# KiCad board poly_kb_molecule_7x5_wave_left.kicad_pcb (continued)
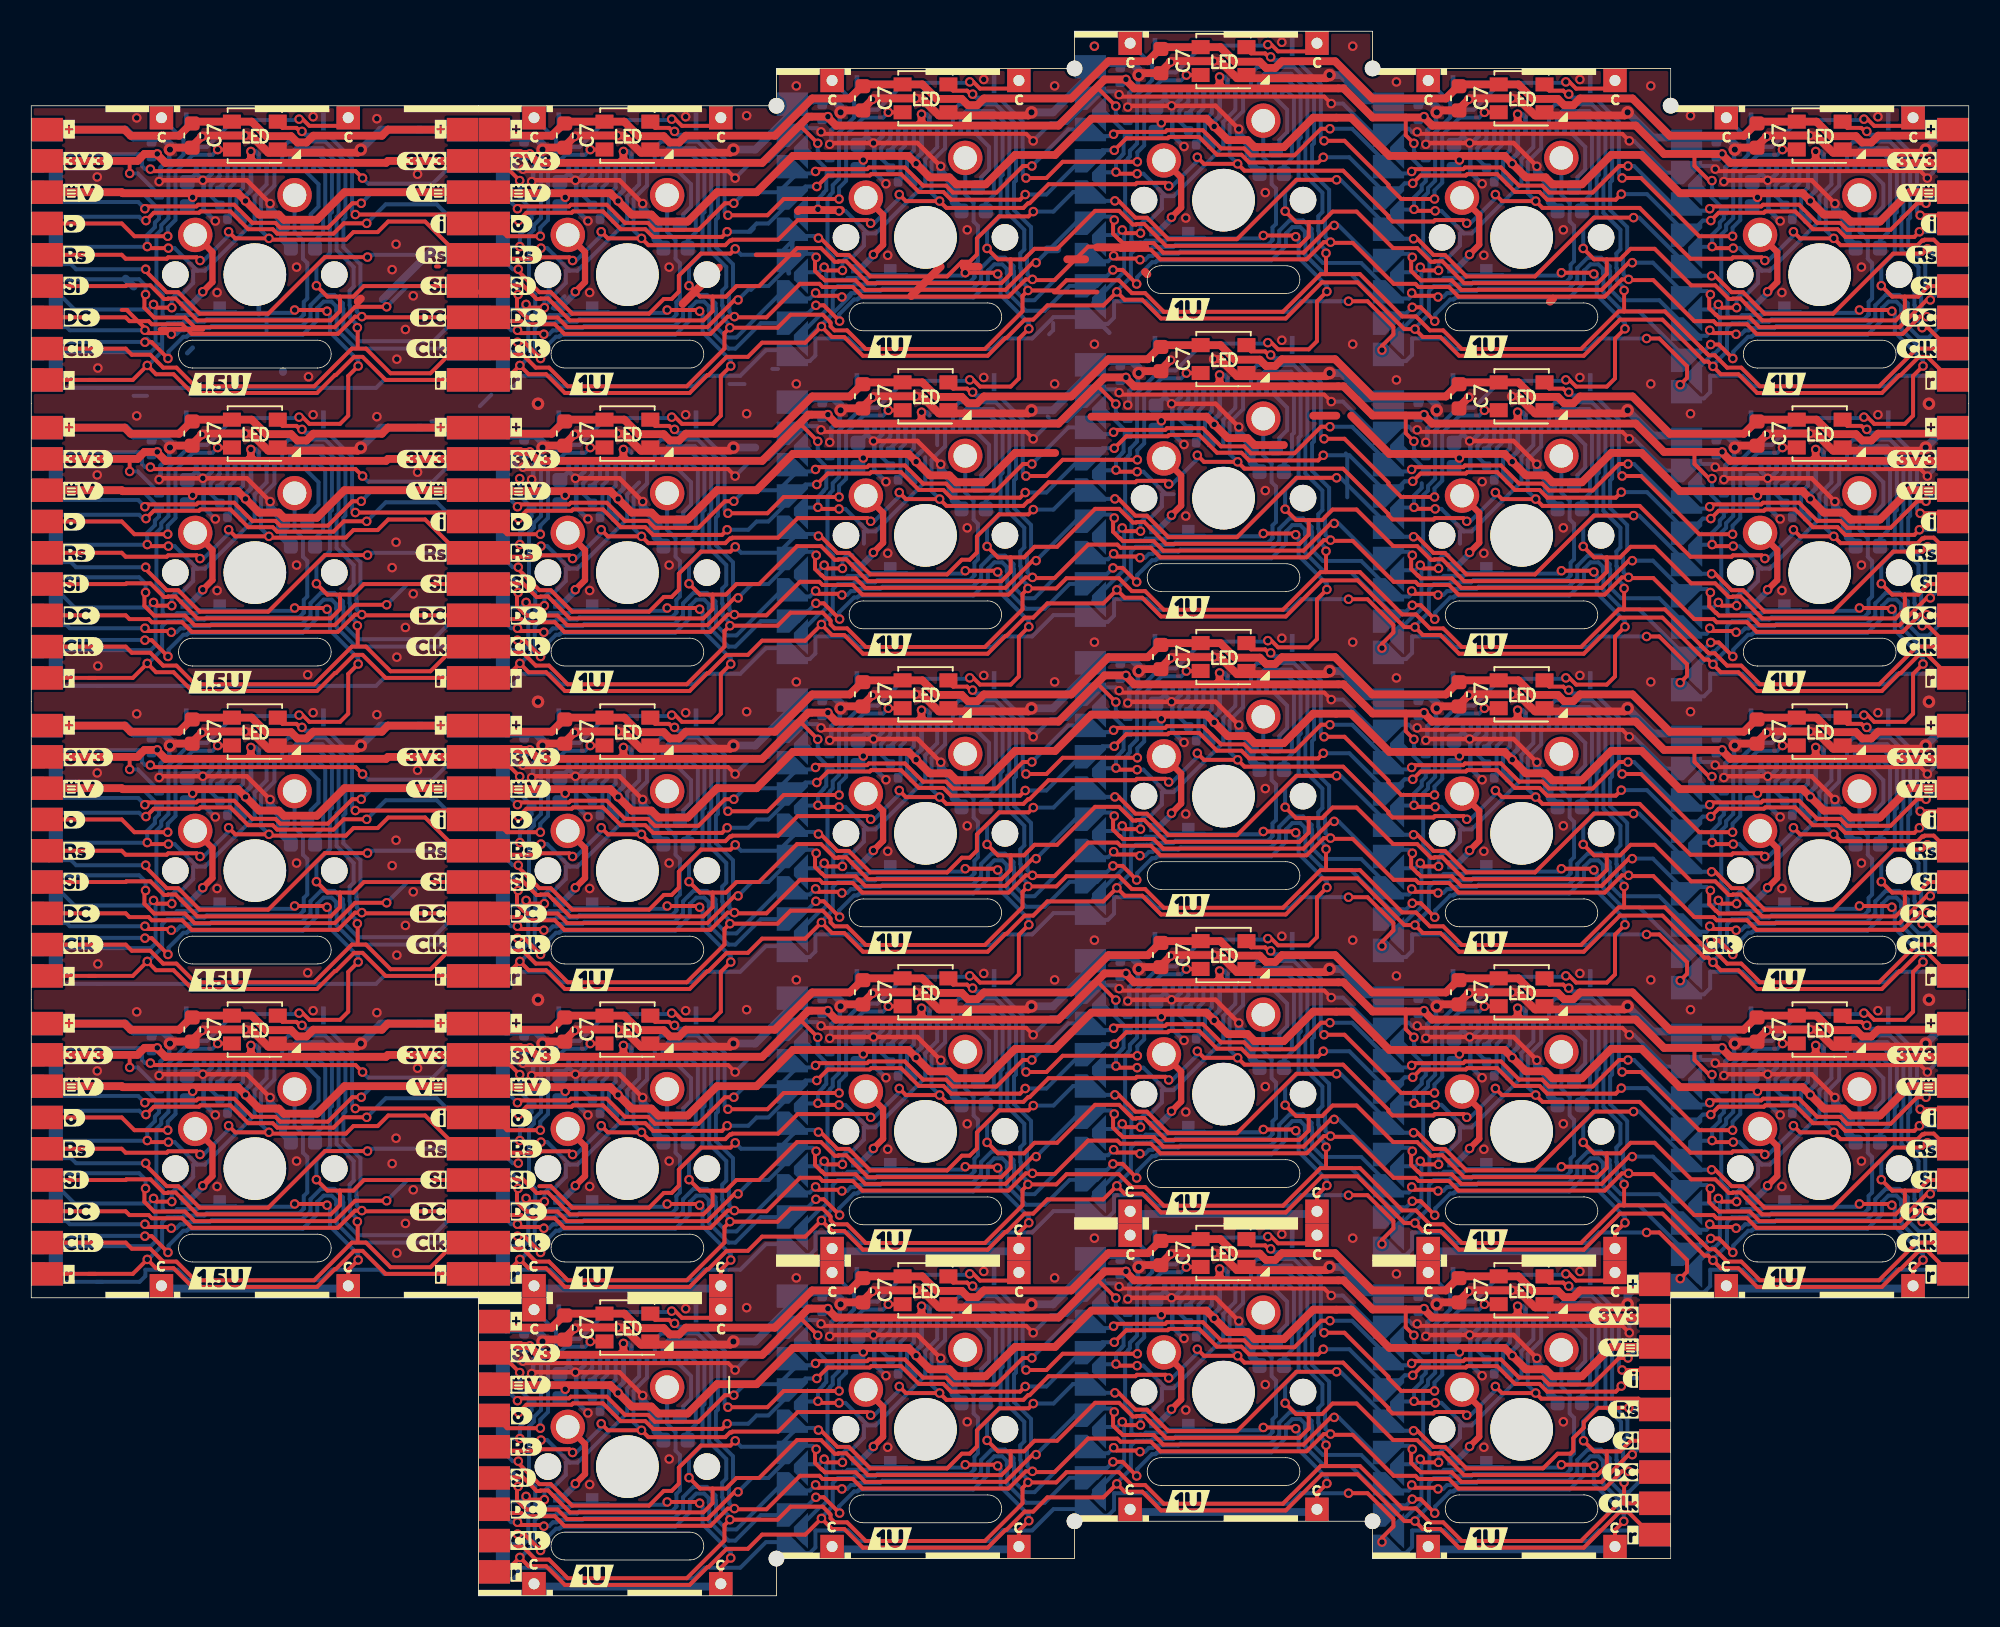
[diagram p0: board, top side]
## Routing (per net, layer and track width the routed paths; a pad name or vN(x,y) marks a point on that pad's centre or on a via; arc(x,y) is an arc through that point) (continued)
  Bottom w0.254: v1(89.7,24.33) 89.7,24.58 89.73,24.61 89.73,24.76 90.69,25.72 90.89,25.72 90.94,25.77 90.96,25.77 91.03,25.84 98.31,25.84 99.24,26.77 99.24,27.54 99.25,27.55 99.25,27.56 99.26,27.57 99.26,27.57 99.65,27.96 100.16,27.96 100.45,27.67 100.45,27.37 100.48,27.34 100.48,26.18 101.71,24.96 102.76,24.96 105.89,21.83 106.5,22.43 106.93,22.43 v1(107.34,22.84) 107.34,22.93 107.26,23.01 ; v1(8.74,40.99) 8.74,41.25 8.77,41.28 8.77,41.43 9.72,42.39 9.93,42.39 9.98,42.43 10,42.43 10.07,42.5 17.35,42.5 18.28,43.43 18.28,44.21 18.29,44.22 18.29,44.23 18.3,44.23 18.3,44.24 18.69,44.63 19.19,44.63 19.49,44.34 19.49,44.04 19.52,44.01 19.52,42.85 20.74,41.63 J6.8 ; 69.17,9.46 68.82,9.11 68.22,9.11 67.79,9.54 67.04,9.54 64.12,6.62 63.5,6.62 62.81,7.31 62.81,8.47 62.78,8.5 62.78,8.8 62.23,9.34 61.37,9.34 60.71,8.68 60.71,7.89 60.17,7.36 54.4,7.36 54.26,7.22 52.78,7.22 52.69,7.12 52.67,7.12 52.62,7.07 52.38,7.07 52.14,6.83 51.81,6.83 ; 122.55,24.58 121.27,23.29 120.65,23.29 119.96,23.98 119.96,25.14 119.93,25.17 119.93,25.47 119.38,26.01 118.52,26.01 117.86,25.34 117.86,24.56 117.32,24.03 111.55,24.03 111.41,23.88 109.93,23.88 109.84,23.79 109.82,23.79 109.77,23.74 109.53,23.74 109.29,23.49 v1(108.96,23.49) ; J6#2.8 20.74,79.73 19.52,80.95 19.52,82.11 19.49,82.14 19.49,82.44 19.19,82.73 18.69,82.73 18.3,82.34 18.3,82.33 18.29,82.33 18.29,82.32 18.28,82.31 18.28,81.53 17.35,80.6 10.07,80.6 10,80.53 9.98,80.53 9.93,80.49 9.72,80.49 8.77,79.53 8.77,79.38 8.74,79.35 v1(8.74,79.09) ; v1(8.74,21.94) 8.74,22.2 8.77,22.23 8.77,22.38 9.72,23.34 9.93,23.34 9.98,23.38 10,23.38 10.07,23.45 17.35,23.45 18.28,24.38 18.28,25.16 18.29,25.17 18.29,25.18 18.3,25.18 18.3,25.19 18.69,25.58 19.19,25.58 19.49,25.29 19.49,24.99 19.52,24.96 19.52,23.8 20.74,22.58 J6#4.8 ; v1(31.07,23.75) 30.67,23.75 29.84,24.58 ; v1(108.75,21.94) 108.75,22.2 108.78,22.23 108.78,22.38 109.74,23.34 109.94,23.34 109.99,23.38 110.01,23.38 110.08,23.45 117.36,23.45 118.29,24.38 118.29,25.16 118.3,25.17 118.3,25.18 118.31,25.18 118.31,25.19 118.7,25.58 119.21,25.58 119.5,25.29 119.5,24.99 119.53,24.96 119.53,23.8 120.76,22.58 J6#6.8 ; v1(32.55,21.94) 32.55,22.2 32.58,22.23 32.58,22.38 33.54,23.34 33.74,23.34 33.79,23.38 33.81,23.38 33.88,23.45 41.16,23.45 42.09,24.38 42.09,25.16 42.1,25.17 42.1,25.18 42.11,25.18 42.11,25.19 42.5,25.58 43.01,25.58 43.3,25.29 43.3,24.99 43.33,24.96 43.33,23.8 44.56,22.58 45,22.58 46.63,24.21 49.01,24.21 v1(50.15,25.34) ; v1(31.07,3.94) 31.06,3.96 29.52,3.96 J5#18.8 ; 88.21,6.34 88.26,6.28 v1(88.26,6.17) 87.85,5.76 87.45,5.76 86.84,5.16 86.84,5.78 84.34,8.29 82.66,8.29 81.43,9.51 81.43,10.67 81.4,10.7 81.4,11 81.11,11.29 80.6,11.29 80.21,10.9 80.21,10.9 80.2,10.89 80.2,10.89 80.19,10.87 80.19,10.1 79.26,9.17 71.98,9.17 71.91,9.1 71.89,9.1 71.84,9.05 71.64,9.05 70.68,8.09 70.68,7.94 70.65,7.91 v1(70.65,7.66) ; v1(51.66,5.28) 51.66,5.53 51.63,5.56 51.63,5.71 52.59,6.67 52.79,6.67 52.84,6.72 52.86,6.72 52.93,6.79 60.21,6.79 61.14,7.72 61.14,8.49 61.15,8.5 61.15,8.51 61.16,8.52 61.16,8.52 61.55,8.91 62.06,8.91 62.35,8.62 62.35,8.32 62.38,8.29 62.38,7.13 63.57,5.94 64.77,5.94 66.37,7.54 68.11,7.54 v1(69.13,8.56) 69.13,8.7 69.12,8.72 ; 88.22,7.08 88.22,6.9 88.05,6.73 87.27,6.73 85,9 82.55,9 81.86,9.69 81.86,10.85 81.83,10.88 81.83,11.18 81.28,11.72 80.42,11.72 79.76,11.06 79.76,10.27 79.22,9.74 73.45,9.74 73.31,9.6 71.83,9.6 71.74,9.5 71.72,9.5 71.67,9.45 71.43,9.45 71.19,9.21 70.86,9.21 ; v1(7.26,22.99) 7.24,23.01 0.95,23.01 J5#2.8 ; J5#15.8 0.95,80.16 7.24,80.16 v1(7.26,80.14) ; v1(31.07,4.7) 30.67,4.7 29.84,5.52 ; 51.81,25.88 52.14,25.88 52.38,26.12 52.62,26.12 52.67,26.17 52.69,26.17 52.78,26.27 54.26,26.27 54.4,26.41 60.17,26.41 60.71,26.94 60.71,27.73 61.37,28.39 62.23,28.39 62.78,27.85 62.78,27.55 62.81,27.52 62.81,26.36 63.5,25.67 64.12,25.67 67.04,28.59 67.79,28.59 68.22,28.16 68.82,28.16 69.17,28.51 ; 50.13,7.09 50.11,7.09 49.76,6.73 49.17,6.73 48.74,7.16 47.99,7.16 45.07,4.24 44.45,4.24 43.76,4.93 43.76,6.09 43.73,6.12 43.73,6.42 43.18,6.96 42.32,6.96 41.66,6.29 41.66,5.51 41.12,4.98 35.35,4.98 35.21,4.83 33.73,4.83 33.64,4.74 33.62,4.74 33.57,4.69 33.33,4.69 33.09,4.44 v1(32.76,4.44) ; J5#24.8 0.95,42.06 7.24,42.06 v1(7.26,42.04) ; v1(50.15,6.29) 49.01,5.16 46.63,5.16 45,3.52 44.56,3.52 43.33,4.75 43.33,5.91 43.3,5.94 43.3,6.24 43.01,6.53 42.5,6.53 42.11,6.14 42.11,6.13 42.1,6.13 42.1,6.12 42.09,6.11 42.09,5.33 41.16,4.4 33.88,4.4 33.81,4.33 33.79,4.33 33.74,4.29 33.54,4.29 32.58,3.33 32.58,3.18 32.55,3.15 v1(32.55,2.89) ; J5#5.8 0.95,61.11 7.24,61.11 v1(7.26,61.09) ; 70.86,28.26 71.19,28.26 71.43,28.5 71.67,28.5 71.72,28.55 71.74,28.55 71.83,28.65 73.31,28.65 73.45,28.79 79.22,28.79 79.76,29.32 79.76,30.11 80.42,30.77 81.28,30.77 81.83,30.23 81.83,29.93 81.86,29.9 81.86,28.74 82.55,28.05 85,28.05 87.27,25.78 88.05,25.78 88.22,25.95 88.22,26.13 ; v1(8.74,60.04) 8.74,60.3 8.77,60.33 8.77,60.48 9.72,61.44 9.93,61.44 9.98,61.48 10,61.48 10.07,61.55 17.35,61.55 18.28,62.48 18.28,63.26 18.29,63.27 18.29,63.28 18.3,63.28 18.3,63.29 18.69,63.68 19.19,63.68 19.49,63.39 19.49,63.09 19.52,63.06 19.52,61.9 20.74,60.68 J6#5.8 ; v1(51.66,24.33) 51.66,24.58 51.63,24.61 51.63,24.76 52.59,25.72 52.79,25.72 52.84,25.77 52.86,25.77 52.93,25.84 60.21,25.84 61.14,26.77 61.14,27.54 61.15,27.55 61.15,27.56 61.16,27.57 61.16,27.57 61.55,27.96 62.06,27.96 62.35,27.67 62.35,27.37 62.38,27.34 62.38,26.18 63.57,24.99 64.77,24.99 66.37,26.59 68.11,26.59 v1(69.13,27.61) 69.13,27.75 69.12,27.77 ; J5#22.8 29.52,23.01 31.06,23.01 v1(31.07,22.99) ; 89.91,6.83 90.24,6.83 90.48,7.07 90.72,7.07 90.77,7.12 90.79,7.12 90.88,7.22 92.36,7.22 92.5,7.36 98.27,7.36 98.81,7.89 98.81,8.68 99.47,9.34 100.33,9.34 100.88,8.8 100.88,8.5 100.91,8.47 100.91,7.31 101.6,6.62 102.1,6.62 103.38,7.91 103.76,7.91 ; v1(89.7,5.28) 89.7,5.53 89.73,5.56 89.73,5.71 90.69,6.67 90.89,6.67 90.94,6.72 90.96,6.72 91.03,6.79 98.31,6.79 99.24,7.72 99.24,8.49 99.25,8.5 99.25,8.51 99.26,8.52 99.26,8.52 99.65,8.91 100.16,8.91 100.45,8.62 100.45,8.32 100.48,8.29 100.48,7.13 101.71,5.91 J6#8.8 ; v1(32.76,23.49) 33.09,23.49 33.33,23.74 33.57,23.74 33.62,23.79 33.64,23.79 33.73,23.88 35.21,23.88 35.35,24.03 41.12,24.03 41.66,24.56 41.66,25.34 42.32,26.01 43.18,26.01 43.73,25.47 43.73,25.17 43.76,25.14 43.76,23.98 44.45,23.29 45.07,23.29 47.99,26.21 48.74,26.21 49.17,25.78 49.76,25.78 50.11,26.14 50.13,26.14 ; v1(107.27,23.75) 107.27,23.6 107.07,23.4 106.32,23.4 104.05,25.67 101.6,25.67 100.91,26.36 100.91,27.52 100.88,27.55 100.88,27.85 100.33,28.39 99.47,28.39 98.81,27.73 98.81,26.94 98.27,26.41 92.5,26.41 92.36,26.27 90.88,26.27 90.79,26.17 90.77,26.17 90.72,26.12 90.48,26.12 90.24,25.88 89.91,25.88 ; v1(70.65,26.71) 70.65,26.96 70.68,26.99 70.68,27.14 71.64,28.1 71.84,28.1 71.89,28.15 71.91,28.15 71.98,28.22 79.26,28.22 80.19,29.15 80.19,29.92 80.2,29.94 80.2,29.94 80.21,29.95 80.21,29.95 80.6,30.34 81.11,30.34 81.4,30.05 81.4,29.75 81.43,29.72 81.43,28.56 82.66,27.34 84.34,27.34 86.84,24.83 86.84,24.21 87.45,24.81 87.85,24.81 v1(88.26,25.22) 88.26,25.33 88.21,25.39
  vias: v1(50.15,82.49) v1(50.15,63.44) v1(50.15,44.39) v1(51.66,81.48) v1(51.66,62.43) v1(51.66,43.38) v1(69.13,84.76) v1(69.13,65.71) v1(69.13,46.66) v1(70.65,83.86) v1(70.65,64.81) v1(70.65,45.76) v1(88.26,82.37) v1(88.26,63.32) v1(88.26,44.27) v1(89.7,81.48) v1(89.7,62.43) v1(89.7,43.38)
CS8: length 638.7
  Top w0.254: v1(84.19,63.7) 85.4,63.7 87.05,62.05 87.05,61.58 86.33,60.85 v1(86.33,60.58) ; v1(84.19,82.75) 85.4,82.75 87.05,81.1 87.05,80.63 86.33,79.9 v1(86.33,79.63) ; v1(105.39,39.32) 105.83,39.76 105.83,40.5 104.05,42.27 v1(103.24,42.27) ; v1(103.24,61.32) 104.05,61.32 105.83,59.55 105.83,58.81 v1(105.39,58.37) ; v1(84.19,44.65) 85.4,44.65 87.05,43 87.05,42.53 86.33,41.8 v1(86.33,41.53) ; v1(86.33,22.48) 86.33,22.75 87.05,23.48 87.05,23.95 85.4,25.6 v1(84.19,25.6) ; v1(84.19,6.55) 85.4,6.55 87.05,4.9 87.05,4.43 86.33,3.7 v1(86.33,3.43) ; v1(103.24,23.22) 104.05,23.22 105.83,21.45 105.83,20.71 v1(105.39,20.27) ; v1(103.24,80.37) 104.05,80.37 105.83,78.6 105.83,77.86 v1(105.39,77.42)
  Bottom w0.254: 65.31,81.36 65.31,80.9 65.05,80.64 ; v1(84.19,63.7) 81.14,63.7 80.47,63.03 71.93,63.03 71.26,63.7 69.2,63.7 69.2,62.65 68.81,62.26 68.22,62.26 67.79,62.69 65.33,62.69 63.97,61.32 62.09,61.32 61.42,60.65 52.88,60.65 52.21,61.32 50.15,61.32 50.11,61.29 50.11,60.24 49.76,59.88 49.17,59.88 48.74,60.31 48.74,60.57 46.95,60.57 45.32,58.94 43.04,58.94 42.37,58.27 33.83,58.27 33.16,58.94 31.1,58.94 31.1,58.53 30.73,58.17 30.35,58.17 29.84,58.67 ; J5#5.9 1.02,58.17 22.03,58.17 22.54,58.68 J6#5.9 ; v1(86.33,3.43) 86.6,3.16 86.84,3.16 87.27,2.73 87.86,2.73 88.25,3.12 88.25,4.17 90.31,4.17 90.98,3.5 99.52,3.5 100.19,4.17 103.49,4.17 J6#8.9 ; 29.84,1.52 30.35,1.02 30.73,1.02 31.1,1.38 31.1,1.79 33.16,1.79 33.83,1.12 42.37,1.12 43.04,1.79 45.32,1.79 46.95,3.42 48.74,3.42 48.74,3.16 49.17,2.73 49.76,2.73 50.11,3.09 50.11,4.14 50.15,4.17 52.21,4.17 52.88,3.5 61.42,3.5 62.09,4.17 63.97,4.17 65.33,5.54 67.79,5.54 68.22,5.11 68.81,5.11 69.2,5.5 69.2,6.55 71.26,6.55 71.93,5.88 80.47,5.88 81.14,6.55 v1(84.19,6.55) ; J5#2.9 1.02,20.07 6.92,20.07 7.29,20.43 7.29,20.84 9.35,20.84 10.02,20.17 18.55,20.17 19.23,20.84 22.28,20.84 22.54,20.58 J6#4.9 ; v1(103.24,42.27) 100.19,42.27 99.52,41.6 90.98,41.6 90.31,42.27 88.25,42.27 88.25,41.22 87.86,40.83 87.27,40.83 86.84,41.26 86.6,41.26 v1(86.33,41.53) ; v1(84.19,25.6) 81.14,25.6 80.47,24.93 71.93,24.93 71.26,25.6 69.2,25.6 69.2,24.55 68.81,24.16 68.22,24.16 67.79,24.59 65.33,24.59 63.97,23.22 62.09,23.22 61.42,22.55 52.88,22.55 52.21,23.22 50.15,23.22 50.11,23.19 50.11,22.14 49.76,21.78 49.17,21.78 48.74,22.21 48.74,22.47 46.95,22.47 45.32,20.84 43.04,20.84 42.37,20.17 33.83,20.17 33.16,20.84 31.1,20.84 31.1,20.43 30.73,20.07 30.35,20.07 29.84,20.58 ; v1(84.19,44.65) 81.14,44.65 80.47,43.98 71.93,43.98 71.26,44.65 69.2,44.65 69.2,43.6 68.81,43.21 68.22,43.21 67.79,43.64 65.33,43.64 63.97,42.27 62.09,42.27 61.42,41.6 52.88,41.6 52.21,42.27 50.15,42.27 50.11,42.24 50.11,41.19 49.76,40.83 49.17,40.83 48.74,41.26 48.74,41.52 46.95,41.52 45.32,39.89 43.04,39.89 42.37,39.22 33.83,39.22 33.16,39.89 31.1,39.89 31.1,39.48 30.73,39.12 30.35,39.12 29.84,39.62 ; 122.55,39.62 122.29,39.89 119.24,39.89 118.57,39.22 110.03,39.22 109.36,39.89 107.3,39.89 107.3,38.84 106.91,38.45 106.32,38.45 105.89,38.88 105.83,38.88 v1(105.39,39.32) ; v1(103.24,61.32) 100.19,61.32 99.52,60.65 90.98,60.65 90.31,61.32 88.25,61.32 88.25,60.27 87.86,59.88 87.27,59.88 86.84,60.31 86.6,60.31 v1(86.33,60.58) ; v1(103.24,23.22) 100.19,23.22 99.52,22.55 90.98,22.55 90.31,23.22 88.25,23.22 88.25,22.17 87.86,21.78 87.27,21.78 86.84,22.21 86.6,22.21 v1(86.33,22.48) ; 4.54,20.07 4.16,20.07 ; v1(105.39,20.27) 105.83,19.83 105.89,19.83 106.32,19.4 106.91,19.4 107.3,19.79 107.3,20.84 109.36,20.84 110.03,20.17 118.57,20.17 119.24,20.84 122.29,20.84 122.55,20.58 ; 4.54,39.12 4.16,39.12 ; 122.55,77.72 122.29,77.99 119.24,77.99 118.57,77.32 110.03,77.32 109.36,77.99 107.3,77.99 107.3,76.94 106.91,76.55 106.32,76.55 105.89,76.97 105.83,76.97 v1(105.39,77.42) ; v1(103.24,80.37) 100.19,80.37 99.52,79.7 90.98,79.7 90.31,80.37 88.25,80.37 88.25,79.32 87.86,78.93 87.27,78.93 86.84,79.36 86.6,79.36 v1(86.33,79.63) ; J6#2.9 22.54,77.73 22.03,77.22 1.02,77.22 J5#15.9 ; J6.9 22.54,39.63 22.03,39.12 1.02,39.12 J5#24.9 ; 4.54,58.17 4.16,58.17 ; 29.84,77.72 30.35,77.22 30.73,77.22 31.1,77.58 31.1,77.99 33.16,77.99 33.83,77.32 42.37,77.32 43.04,77.99 45.32,77.99 46.95,79.62 48.74,79.62 48.74,79.36 49.17,78.93 49.76,78.93 50.11,79.29 50.11,80.34 50.15,80.37 52.21,80.37 52.88,79.7 61.42,79.7 62.09,80.37 63.97,80.37 65.33,81.74 67.79,81.74 68.22,81.31 68.81,81.31 69.2,81.7 69.2,82.75 71.26,82.75 71.93,82.08 80.47,82.08 81.14,82.75 v1(84.19,82.75) ; 122.55,58.67 122.29,58.94 119.24,58.94 118.57,58.27 110.03,58.27 109.36,58.94 107.3,58.94 107.3,57.89 106.91,57.5 106.32,57.5 105.89,57.92 105.83,57.92 v1(105.39,58.37) ; 4.54,77.22 4.16,77.22
  Bottom w0.292: 68.16,81.48 68.9,80.74
  Bottom w0.3: 67.12,81.87 67.46,82.21
Net-(C1-Pad1): length 169.4
  Bottom w0.254: 41.85,53.34 42.16,53.34 42.6,52.91 42.6,50.53 42.47,50.4 42.47,49.06 41.95,48.54 C1#14.1 ; C1#11.1 18.14,67.59 18.65,68.11 18.65,69.45 18.78,69.58 18.78,71.96 18.35,72.39 J1#24.16 ; J1#10.16 80.26,58.1 80.7,57.67 80.7,55.29 80.57,55.16 80.57,53.82 80.05,53.3 80.05,52.81 ; C1#6.1 41.95,67.59 42.47,68.11 42.47,69.45 42.6,69.58 42.6,71.96 42.16,72.39 41.85,72.39 ; 41.85,34.29 42.16,34.29 42.6,33.86 42.6,31.48 42.47,31.35 42.47,30.01 41.95,29.49 C1#24.1 ; C1.1 41.95,86.64 42.47,87.16 42.47,88.5 42.6,88.63 42.6,91.01 42.16,91.44 41.85,91.44 ; C1#5.1 118.15,67.59 118.67,68.11 118.67,69.45 118.8,69.58 118.8,71.96 118.36,72.39 J1#23.16 ; 41.85,15.24 42.16,15.24 42.6,14.81 42.6,12.43 42.47,12.3 42.47,10.96 41.95,10.44 C1#13.1 ; J1#2.16 99.31,17.62 99.75,17.19 99.75,14.81 99.62,14.68 99.62,13.34 99.1,12.82 C1#12.1 ; 80.05,71.86 80.05,72.35 80.57,72.87 80.57,74.21 80.7,74.34 80.7,76.72 80.26,77.15 J1#4.16 ; 80.05,33.76 80.05,34.25 80.57,34.77 80.57,36.11 80.7,36.24 80.7,38.62 80.26,39.05 J1#21.16 ; C1#21.1 61,89.02 61.52,89.54 61.52,90.88 61.65,91.01 61.65,93.39 61.21,93.82 J1#17.16 ; J1#27.16 61.21,74.77 61.65,74.34 61.65,71.96 61.52,71.83 61.52,70.49 61,69.97 C1#26.1 ; C1#27.1 61,31.87 61.52,32.39 61.52,33.73 61.65,33.86 61.65,36.24 61.21,36.67 J1#13.16 ; C1#4.1 18.14,86.64 18.65,87.16 18.65,88.5 18.78,88.63 18.78,91.01 18.35,91.44 J1#28.16 ; C1#8.1 118.15,29.49 118.67,30.01 118.67,31.35 118.8,31.48 118.8,33.86 118.36,34.29 J1#26.16 ; C1#25.1 118.15,86.64 118.67,87.16 118.67,88.5 118.8,88.63 118.8,91.01 118.36,91.44 J1#7.16 ; J1#19.16 118.36,53.34 118.8,52.91 118.8,50.53 118.67,50.4 118.67,49.06 118.15,48.54 C1#23.1 ; C1#22.1 99.1,69.97 99.62,70.49 99.62,71.83 99.75,71.96 99.75,74.34 99.31,74.77 J1#3.16 ; C1#7.1 61,12.82 61.52,13.34 61.52,14.68 61.65,14.81 61.65,17.19 61.21,17.62 J1#12.16 ; J1#5.16 80.26,96.2 80.7,95.77 80.7,93.39 80.57,93.26 80.57,91.92 80.05,91.4 80.05,90.91 ; J1#9.16 99.31,55.72 99.75,55.29 99.75,52.91 99.62,52.78 99.62,51.44 99.1,50.92 C1#9.1 ; C1#3.1 99.1,89.02 99.62,89.54 99.62,90.88 99.75,91.01 99.75,93.39 99.31,93.82 J1#22.16 ; 80.05,14.71 80.05,15.2 80.57,15.72 80.57,17.06 80.7,17.19 80.7,19.57 80.26,20 J1#25.16 ; C1#16.1 61,50.92 61.52,51.44 61.52,52.78 61.65,52.91 61.65,55.29 61.21,55.72 J1#6.16 ; C1#28.1 18.14,48.54 18.65,49.06 18.65,50.4 18.78,50.53 18.78,52.91 18.35,53.34 J1#15.16 ; C1#18.1 99.1,31.87 99.62,32.39 99.62,33.73 99.75,33.86 99.75,36.24 99.31,36.67 J1#18.16 ; C1#10.1 18.14,29.49 18.65,30.01 18.65,31.35 18.78,31.48 18.78,33.86 18.35,34.29 J1#16.16
Net-(C4-Pad1): length 118.4
  Bottom w0.254: 41.67,49.66 41.67,50.21 42.17,50.7 42.17,52.14 41.35,52.95 41.35,53.34 ; 41.35,34.29 41.35,33.9 42.17,33.09 42.17,31.65 41.67,31.16 41.67,30.61 ; J1#15.15 17.54,52.95 18.35,52.14 18.35,50.7 17.86,50.21 17.86,49.66 ; J1#9.15 98.5,55.34 99.32,54.52 99.32,53.09 98.82,52.59 98.82,52.04 ; J1#28.15 17.54,91.05 18.35,90.24 18.35,88.8 17.86,88.31 17.86,87.76 ; 79.77,54.42 79.77,54.97 80.27,55.47 80.27,56.9 79.45,57.72 J1#10.15 ; 41.35,91.44 41.35,91.05 42.17,90.24 42.17,88.8 41.67,88.31 41.67,87.76 ; J1#17.15 60.4,93.44 61.22,92.62 61.22,91.19 60.72,90.69 60.72,90.14 ; J1#23.15 117.55,72 118.37,71.19 118.37,69.75 117.87,69.26 117.87,68.71 ; J1#2.15 98.5,17.24 99.32,16.42 99.32,14.99 98.82,14.49 98.82,13.94 ; 60.72,13.94 60.72,14.49 61.22,14.99 61.22,16.42 60.4,17.24 J1#12.15 ; 17.86,30.61 17.86,31.16 18.35,31.65 18.35,33.09 17.54,33.9 J1#16.15 ; 79.77,16.32 79.77,16.87 80.27,17.37 80.27,18.8 79.45,19.62 J1#25.15 ; 98.82,32.99 98.82,33.54 99.32,34.04 99.32,35.47 98.5,36.29 J1#18.15 ; J1#19.15 117.55,52.95 118.37,52.14 118.37,50.7 117.87,50.21 117.87,49.66 ; 117.87,30.61 117.87,31.16 118.37,31.65 118.37,33.09 117.55,33.9 J1#26.15 ; J1#24.15 17.54,72 18.35,71.19 18.35,69.75 17.86,69.26 17.86,68.71 ; J1#21.15 79.45,38.67 80.27,37.85 80.27,36.42 79.77,35.92 79.77,35.37 ; J1#27.15 60.4,74.39 61.22,73.57 61.22,72.14 60.72,71.64 60.72,71.09 ; J1#13.15 60.4,36.29 61.22,35.47 61.22,34.04 60.72,33.54 60.72,32.99 ; 41.35,15.24 41.35,14.85 42.17,14.04 42.17,12.6 41.67,12.11 41.67,11.56 ; 79.77,92.52 79.77,93.07 80.27,93.57 80.27,95 79.45,95.82 J1#5.15 ; 117.87,87.76 117.87,88.31 118.37,88.8 118.37,90.24 117.55,91.05 J1#7.15 ; J1#3.15 98.5,74.39 99.32,73.57 99.32,72.14 98.82,71.64 98.82,71.09 ; 41.67,68.71 41.67,69.26 42.17,69.75 42.17,71.19 41.35,72 41.35,72.39 ; J1#6.15 60.4,55.34 61.22,54.52 61.22,53.09 60.72,52.59 60.72,52.04 ; 98.82,90.14 98.82,90.69 99.32,91.19 99.32,92.62 98.5,93.44 J1#22.15 ; J1#4.15 79.45,76.77 80.27,75.95 80.27,74.52 79.77,74.02 79.77,73.47
Net-(C5-Pad1): length 84.5
  Bottom w0.254: J1#16.4 12.04,33.6 11.46,33.03 11.46,32.34 C5#18.1 ; J1#2.4 93,16.93 92.43,16.36 92.43,15.68 C5#24.1 ; J1#12.4 54.9,16.93 54.33,16.36 54.33,15.68 C5#14.1 ; J1#7.4 112.05,90.75 111.48,90.18 111.48,89.49 C5#8.1 ; J1#21.4 73.95,38.37 73.38,37.79 73.38,37.11 C5#20.1 ; J1#25.4 73.95,19.32 73.38,18.74 73.38,18.06 C5#19.1 ; C5#9.1 54.33,91.88 54.33,92.56 54.9,93.13 J1#17.4 ; J1#23.4 112.05,71.7 111.48,71.13 111.48,70.44 C5#11.1 ; J1#3.4 93,74.08 92.43,73.51 92.43,72.83 C5#2.1 ; C5#17.1 111.48,51.39 111.48,52.08 112.05,52.65 J1#19.4 ; J1#5.4 73.95,95.52 73.38,94.94 73.38,94.26 C5#21.1 ; J1#28.4 12.04,90.75 11.46,90.18 11.46,89.49 C5#5.1 ; C5.1 35.28,89.49 35.28,90.18 35.85,90.75 J1.4 ; C5#13.1 111.48,32.34 111.48,33.03 112.05,33.6 J1#26.4 ; J1#22.4 93,93.13 92.43,92.56 92.43,91.88 C5#22.1 ; J1#18.4 93,35.98 92.43,35.41 92.43,34.73 C5#10.1 ; J1#24.4 12.04,71.7 11.46,71.13 11.46,70.44 C5#16.1 ; C5#3.1 73.38,75.21 73.38,75.89 73.95,76.47 J1#4.4 ; C5#4.1 35.28,32.34 35.28,33.03 35.85,33.6 J1#20.4 ; J1#6.4 54.9,55.03 54.33,54.46 54.33,53.78 C5#27.1 ; J1#8.4 35.85,71.7 35.28,71.13 35.28,70.44 C5#26.1 ; C5#6.1 73.38,56.16 73.38,56.84 73.95,57.42 J1#10.4 ; C5#28.1 54.33,34.73 54.33,35.41 54.9,35.98 J1#13.4 ; C5#23.1 35.28,51.39 35.28,52.08 35.85,52.65 J1#14.4 ; C5#25.1 92.43,53.78 92.43,54.46 93,55.03 J1#9.4 ; J1#11.4 35.85,14.55 35.28,13.98 35.28,13.29 C5#15.1 ; J1#27.4 54.9,74.08 54.33,73.51 54.33,72.83 C5#12.1 ; J1#15.4 12.04,52.65 11.46,52.08 11.46,51.39 C5#7.1
Net-(C5-Pad2): length 49.7
  Bottom w0.254: J1#11.5 36.35,14.33 35.86,13.85 C5#15.2 ; C5#12.2 54.91,73.38 55.4,73.86 J1#27.5 ; J1#24.5 12.54,71.48 12.05,71 C5#16.2 ; C5#27.2 54.91,54.33 55.4,54.81 J1#6.5 ; J1#15.5 12.54,52.43 12.05,51.95 C5#7.2 ; C5#2.2 93.01,73.38 93.5,73.86 J1#3.5 ; J1#9.5 93.5,54.81 93.01,54.33 C5#25.2 ; J1#21.5 74.45,38.14 73.96,37.66 C5#20.2 ; C5.2 35.86,90.05 36.35,90.53 J1.5 ; J1#23.5 112.55,71.48 112.06,71 C5#11.2 ; C5#21.2 73.96,94.81 74.45,95.29 J1#5.5 ; J1#20.5 36.35,33.38 35.86,32.9 C5#4.2 ; J1#4.5 74.45,76.24 73.96,75.76 C5#3.2 ; J1#22.5 93.5,92.91 93.01,92.43 C5#22.2 ; J1#18.5 93.5,35.76 93.01,35.28 C5#10.2 ; C5#14.2 54.91,16.23 55.4,16.71 J1#12.5 ; C5#6.2 73.96,56.71 74.45,57.19 J1#10.5 ; J1#28.5 12.54,90.53 12.05,90.05 C5#5.2 ; J1#17.5 55.4,92.91 54.91,92.43 C5#9.2 ; J1#8.5 36.35,71.48 35.86,71 C5#26.2 ; C5#13.2 112.06,32.9 112.55,33.38 J1#26.5 ; J1#2.5 93.5,16.71 93.01,16.23 C5#24.2 ; C5#28.2 54.91,35.28 55.4,35.76 J1#13.5 ; C5#18.2 12.05,32.9 12.54,33.38 J1#16.5 ; C5#23.2 35.86,51.95 36.35,52.43 J1#14.5 ; J1#25.5 74.45,19.09 73.96,18.61 C5#19.2 ; C5#17.2 112.06,51.95 112.55,52.43 J1#19.5 ; J1#7.5 112.55,90.53 112.06,90.05 C5#8.2
Net-(C6-Pad1): length 101.8
  Bottom w0.254: C6#6.1 112.7,31.01 112.7,32.87 113.01,33.18 113.01,34.25 J1#26.6 ; C6#22.1 93.65,33.39 93.65,35.25 93.96,35.56 93.96,36.63 J1#18.6 ; J1#12.6 55.86,17.58 55.86,16.51 55.55,16.2 55.55,14.34 55.4,14.19 ; C6#14.1 74.6,16.72 74.6,18.59 74.91,18.89 74.91,19.96 J1#25.6 ; C6#9.1 112.7,50.06 112.7,51.92 113.01,52.23 113.01,53.3 J1#19.6 ; 55.4,33.24 55.55,33.39 55.55,35.25 55.86,35.56 55.86,36.63 J1#13.6 ; C6#11.1 93.65,90.54 93.65,92.4 93.96,92.71 93.96,93.78 J1#22.6 ; C6#16.1 12.69,50.06 12.69,51.92 13,52.23 13,53.3 J1#15.6 ; C6#18.1 12.69,31.01 12.69,32.87 13,33.18 13,34.25 J1#16.6 ; J1#11.6 36.81,15.2 36.81,14.13 36.5,13.82 36.5,11.96 C6#7.1 ; C6#19.1 36.5,69.11 36.5,70.97 36.81,71.28 36.81,72.35 J1#8.6 ; 55.4,71.34 55.55,71.49 55.55,73.35 55.86,73.66 55.86,74.73 J1#27.6 ; J1#23.6 113.01,72.35 113.01,71.28 112.7,70.97 112.7,69.11 C6#10.1 ; J1#20.6 36.81,34.25 36.81,33.18 36.5,32.87 36.5,31.01 C6#12.1 ; C6#4.1 74.6,73.87 74.6,75.74 74.91,76.04 74.91,77.11 J1#4.6 ; J1#2.6 93.96,17.58 93.96,16.51 93.65,16.2 93.65,14.34 C6#25.1 ; J1#10.6 74.91,58.06 74.91,56.99 74.6,56.69 74.6,54.82 C6#17.1 ; 55.4,90.39 55.55,90.54 55.55,92.4 55.86,92.71 55.86,93.78 J1#17.6 ; C6#2.1 12.69,88.16 12.69,90.02 13,90.33 13,91.4 J1#28.6 ; J1.6 36.81,91.4 36.81,90.33 36.5,90.02 36.5,88.16 C6.1 ; C6#13.1 74.6,92.92 74.6,94.79 74.91,95.09 74.91,96.16 J1#5.6 ; J1#6.6 55.86,55.68 55.86,54.61 55.55,54.3 55.55,52.44 55.4,52.29 ; J1#24.6 13,72.35 13,71.28 12.69,70.97 12.69,69.11 C6#3.1 ; J1#21.6 74.91,39.01 74.91,37.94 74.6,37.64 74.6,35.77 C6#27.1 ; C6#5.1 93.65,52.44 93.65,54.3 93.96,54.61 93.96,55.68 J1#9.6 ; C6#26.1 36.5,50.06 36.5,51.92 36.81,52.23 36.81,53.3 J1#14.6 ; C6#8.1 93.65,71.49 93.65,73.35 93.96,73.66 93.96,74.73 J1#3.6 ; C6#21.1 112.7,88.16 112.7,90.02 113.01,90.33 113.01,91.4 J1#7.6
Net-(C6-Pad2): length 105.6
  Bottom w0.254: C6.2 36.92,88.4 36.92,89.59 37.35,90.02 J1.7 ; C6#10.2 113.12,69.35 113.12,70.54 113.55,70.97 J1#23.7 ; J1#19.7 113.55,51.92 113.12,51.49 113.12,50.3 C6#9.2 ; J1#7.7 113.55,90.02 113.12,89.59 113.12,88.4 C6#21.2 ; C6#27.2 75.02,36.02 75.02,37.2 75.45,37.63 J1#21.7 ; J1#12.7 56.4,16.2 55.97,15.77 55.97,14.58 C6#24.2 ; J1#4.7 75.45,75.73 75.02,75.3 75.02,74.12 C6#4.2 ; J1#28.7 13.54,90.02 13.11,89.59 13.11,88.4 C6#2.2 ; J1#6.7 56.4,54.3 55.97,53.87 55.97,52.68 C6#15.2 ; C6#19.2 36.92,69.35 36.92,70.54 37.35,70.97 J1#8.7 ; C6#3.2 13.11,69.35 13.11,70.54 13.54,70.97 J1#24.7 ; C6#11.2 94.07,90.78 94.07,91.97 94.5,92.4 J1#22.7 ; J1#11.7 37.35,13.82 36.92,13.39 36.92,12.2 C6#7.2 ; C6#8.2 94.07,71.73 94.07,72.92 94.5,73.35 J1#3.7 ; J1#14.7 37.35,51.92 36.92,51.49 36.92,50.3 C6#26.2 ; J1#10.7 75.45,56.68 75.02,56.25 75.02,55.07 C6#17.2 ; J1#25.7 75.45,18.58 75.02,18.15 75.02,16.97 C6#14.2 ; J1#2.7 94.5,16.2 94.07,15.77 94.07,14.58 C6#25.2 ; C6#23.2 55.97,71.73 55.97,72.92 56.4,73.35 J1#27.7 ; C6#6.2 113.12,31.25 113.12,32.44 113.55,32.87 J1#26.7 ; C6#12.2 36.92,31.25 36.92,32.44 37.35,32.87 J1#20.7 ; J1#17.7 56.4,92.4 55.97,91.97 55.97,90.78 C6#28.2 ; J1#5.7 75.45,94.78 75.02,94.35 75.02,93.17 C6#13.2 ; J1#16.7 13.54,32.87 13.11,32.44 13.11,31.25 C6#18.2 ; J1#9.7 94.5,54.3 94.07,53.87 94.07,52.68 C6#5.2 ; C6#22.2 94.07,33.63 94.07,34.82 94.5,35.25 J1#18.7 ; J1#13.7 56.4,35.25 55.97,34.82 55.97,33.63 C6#20.2 ; C6#16.2 13.11,50.3 13.11,51.49 13.54,51.92 J1#15.7
Net-(D1-Pad2): length 164.9
  Top w0.4: v1(10.96,26.21) 11.58,26.83 11.58,28.75 SW1#16.2 ; v1(72.87,11.93) 73.49,12.54 73.49,14.46 SW1#24.2 ; v1(91.92,9.54) 92.54,10.16 92.54,12.08 SW1#13.2 ; SW1#23.2 54.44,31.13 54.44,29.21 v1(53.82,28.59) ; SW1#19.2 92.54,31.13 92.54,29.21 v1(91.92,28.59) ; SW1.2 35.39,85.9 35.39,83.98 v1(34.77,83.36) ; v1(110.97,45.26) 111.59,45.88 111.59,47.8 SW1#25.2 ; v1(53.82,66.69) 54.44,67.31 54.44,69.23 SW1#27.2 ; v1(10.96,83.36) 11.58,83.98 11.58,85.9 SW1#21.2 ; SW1#22.2 73.49,52.56 73.49,50.64 v1(72.87,50.03) ; v1(53.82,9.54) 54.44,10.16 54.44,12.08 SW1#7.2 ; v1(91.92,66.69) 92.54,67.31 92.54,69.23 SW1#20.2 ; v1(72.87,30.98) 73.49,31.59 73.49,33.51 SW1#12.2 ; v1(91.92,47.64) 92.54,48.26 92.54,50.18 SW1#28.2 ; v1(34.77,64.31) 35.39,64.93 35.39,66.85 SW1#5.2 ; v1(34.77,45.26) 35.39,45.88 35.39,47.8 SW1#10.2 ; v1(72.87,88.13) 73.49,88.74 73.49,90.66 SW1#3.2 ; SW1#14.2 111.59,85.9 111.59,83.98 v1(110.97,83.36) ; SW1#15.2 73.49,71.61 73.49,69.69 v1(72.87,69.08) ; v1(110.97,26.21) 111.59,26.83 111.59,28.75 SW1#26.2 ; v1(34.77,7.16) 35.39,7.78 35.39,9.7 SW1#6.2 ; SW1#11.2 35.39,28.75 35.39,26.83 v1(34.77,26.21) ; SW1#17.2 54.44,50.18 54.44,48.26 v1(53.82,47.64) ; v1(110.97,64.31) 111.59,64.93 111.59,66.85 SW1#4.2 ; SW1#2.2 11.58,66.85 11.58,64.93 v1(10.96,64.31) ; v1(53.82,85.74) 54.44,86.36 54.44,88.28 SW1#9.2 ; SW1#18.2 11.58,47.8 11.58,45.88 v1(10.96,45.26) ; v1(91.92,85.74) 92.54,86.36 92.54,88.28 SW1#8.2
  Bottom w0.25: 52.75,27.65 52.96,27.65 ; 33.7,25.27 33.91,25.27 ; 52.75,8.6 52.96,8.6 ; 71.8,87.19 72.01,87.19 ; 52.75,84.8 52.96,84.8 ; 109.9,63.37 110.11,63.37 ; 9.89,82.42 10.1,82.42 ; 9.89,63.37 10.1,63.37 ; 71.8,49.09 72.01,49.09 ; 9.89,44.32 10.1,44.32 ; 33.7,44.32 33.91,44.32 ; 90.85,84.8 91.06,84.8 ; 71.8,30.04 72.01,30.04 ; 33.7,6.22 33.91,6.22 ; 90.85,27.65 91.06,27.65 ; 9.89,25.27 10.1,25.27 ; 52.75,46.7 52.96,46.7 ; 33.7,63.37 33.91,63.37 ; 90.85,65.75 91.06,65.75 ; 90.85,8.6 91.06,8.6 ; 109.9,44.32 110.11,44.32 ; 71.8,68.14 72.01,68.14 ; 90.85,46.7 91.06,46.7 ; 33.7,82.42 33.91,82.42 ; 109.9,82.42 110.11,82.42 ; 52.75,65.75 52.96,65.75 ; 71.8,10.99 72.01,10.99 ; 109.9,25.27 110.11,25.27
  Bottom w0.254: 34.09,83.08 33.32,82.32
  Bottom w0.4: v1(53.82,9.54) 53.82,9.47 52.96,8.6 ; v1(72.87,88.13) 72.87,88.05 72.01,87.19 ; v1(110.97,26.21) 110.97,26.14 110.11,25.27 ; 91.06,8.6 91.92,9.47 v1(91.92,9.54) ; v1(91.92,47.64) 91.92,47.57 91.06,46.7 ; 33.91,44.32 34.77,45.19 v1(34.77,45.26) ; 72.01,30.04 72.87,30.9 v1(72.87,30.98) ; v1(53.82,66.69) 53.82,66.62 52.96,65.75 ; v1(110.97,83.36) 110.97,83.29 110.11,82.42 ; v1(34.77,64.31) 34.77,64.24 33.91,63.37 ; v1(10.96,83.36) 10.96,83.29 10.1,82.42 ; v1(110.97,45.26) 110.97,45.19 110.11,44.32 ; 91.06,65.75 91.92,66.62 v1(91.92,66.69) ; 110.11,63.37 110.97,64.24 v1(110.97,64.31) ; 72.01,10.99 72.87,11.85 v1(72.87,11.93) ; 52.96,27.65 53.82,28.52 v1(53.82,28.59) ; v1(34.77,7.16) 34.77,7.09 33.91,6.22 ; 10.1,44.32 10.96,45.19 v1(10.96,45.26) ; 91.06,27.65 91.92,28.52 v1(91.92,28.59) ; v1(53.82,85.74) 53.82,85.67 52.96,84.8 ; v1(91.92,85.74) 91.92,85.67 91.06,84.8 ; v1(72.87,50.03) 72.87,49.95 72.01,49.09 ; 10.1,25.27 10.96,26.14 v1(10.96,26.21) ; v1(10.96,64.31) 10.96,64.24 10.1,63.37 ; v1(34.77,83.36) 34.77,83.29 33.91,82.42 ; v1(72.87,69.08) 72.87,69 72.01,68.14 ; v1(53.82,47.64) 53.82,47.57 52.96,46.7 ; v1(34.77,26.21) 34.77,26.14 33.91,25.27
